# Altium PCB Module Board - OLD.PcbDoc (part 2 of 4)
Units mm, origin at the board's own origin, x right, y up, seen from the top; angles counter-clockwise.
Board outline 88 x 88 mm, 4 copper layers (Top Layer, GND1-Layer, GND2-Layer, Bottom Layer), stack 1.57 mm thick; 408 components, 212 nets, 1020 pads, 603 vias.
Unrouted connection lines stored in the file: 3.
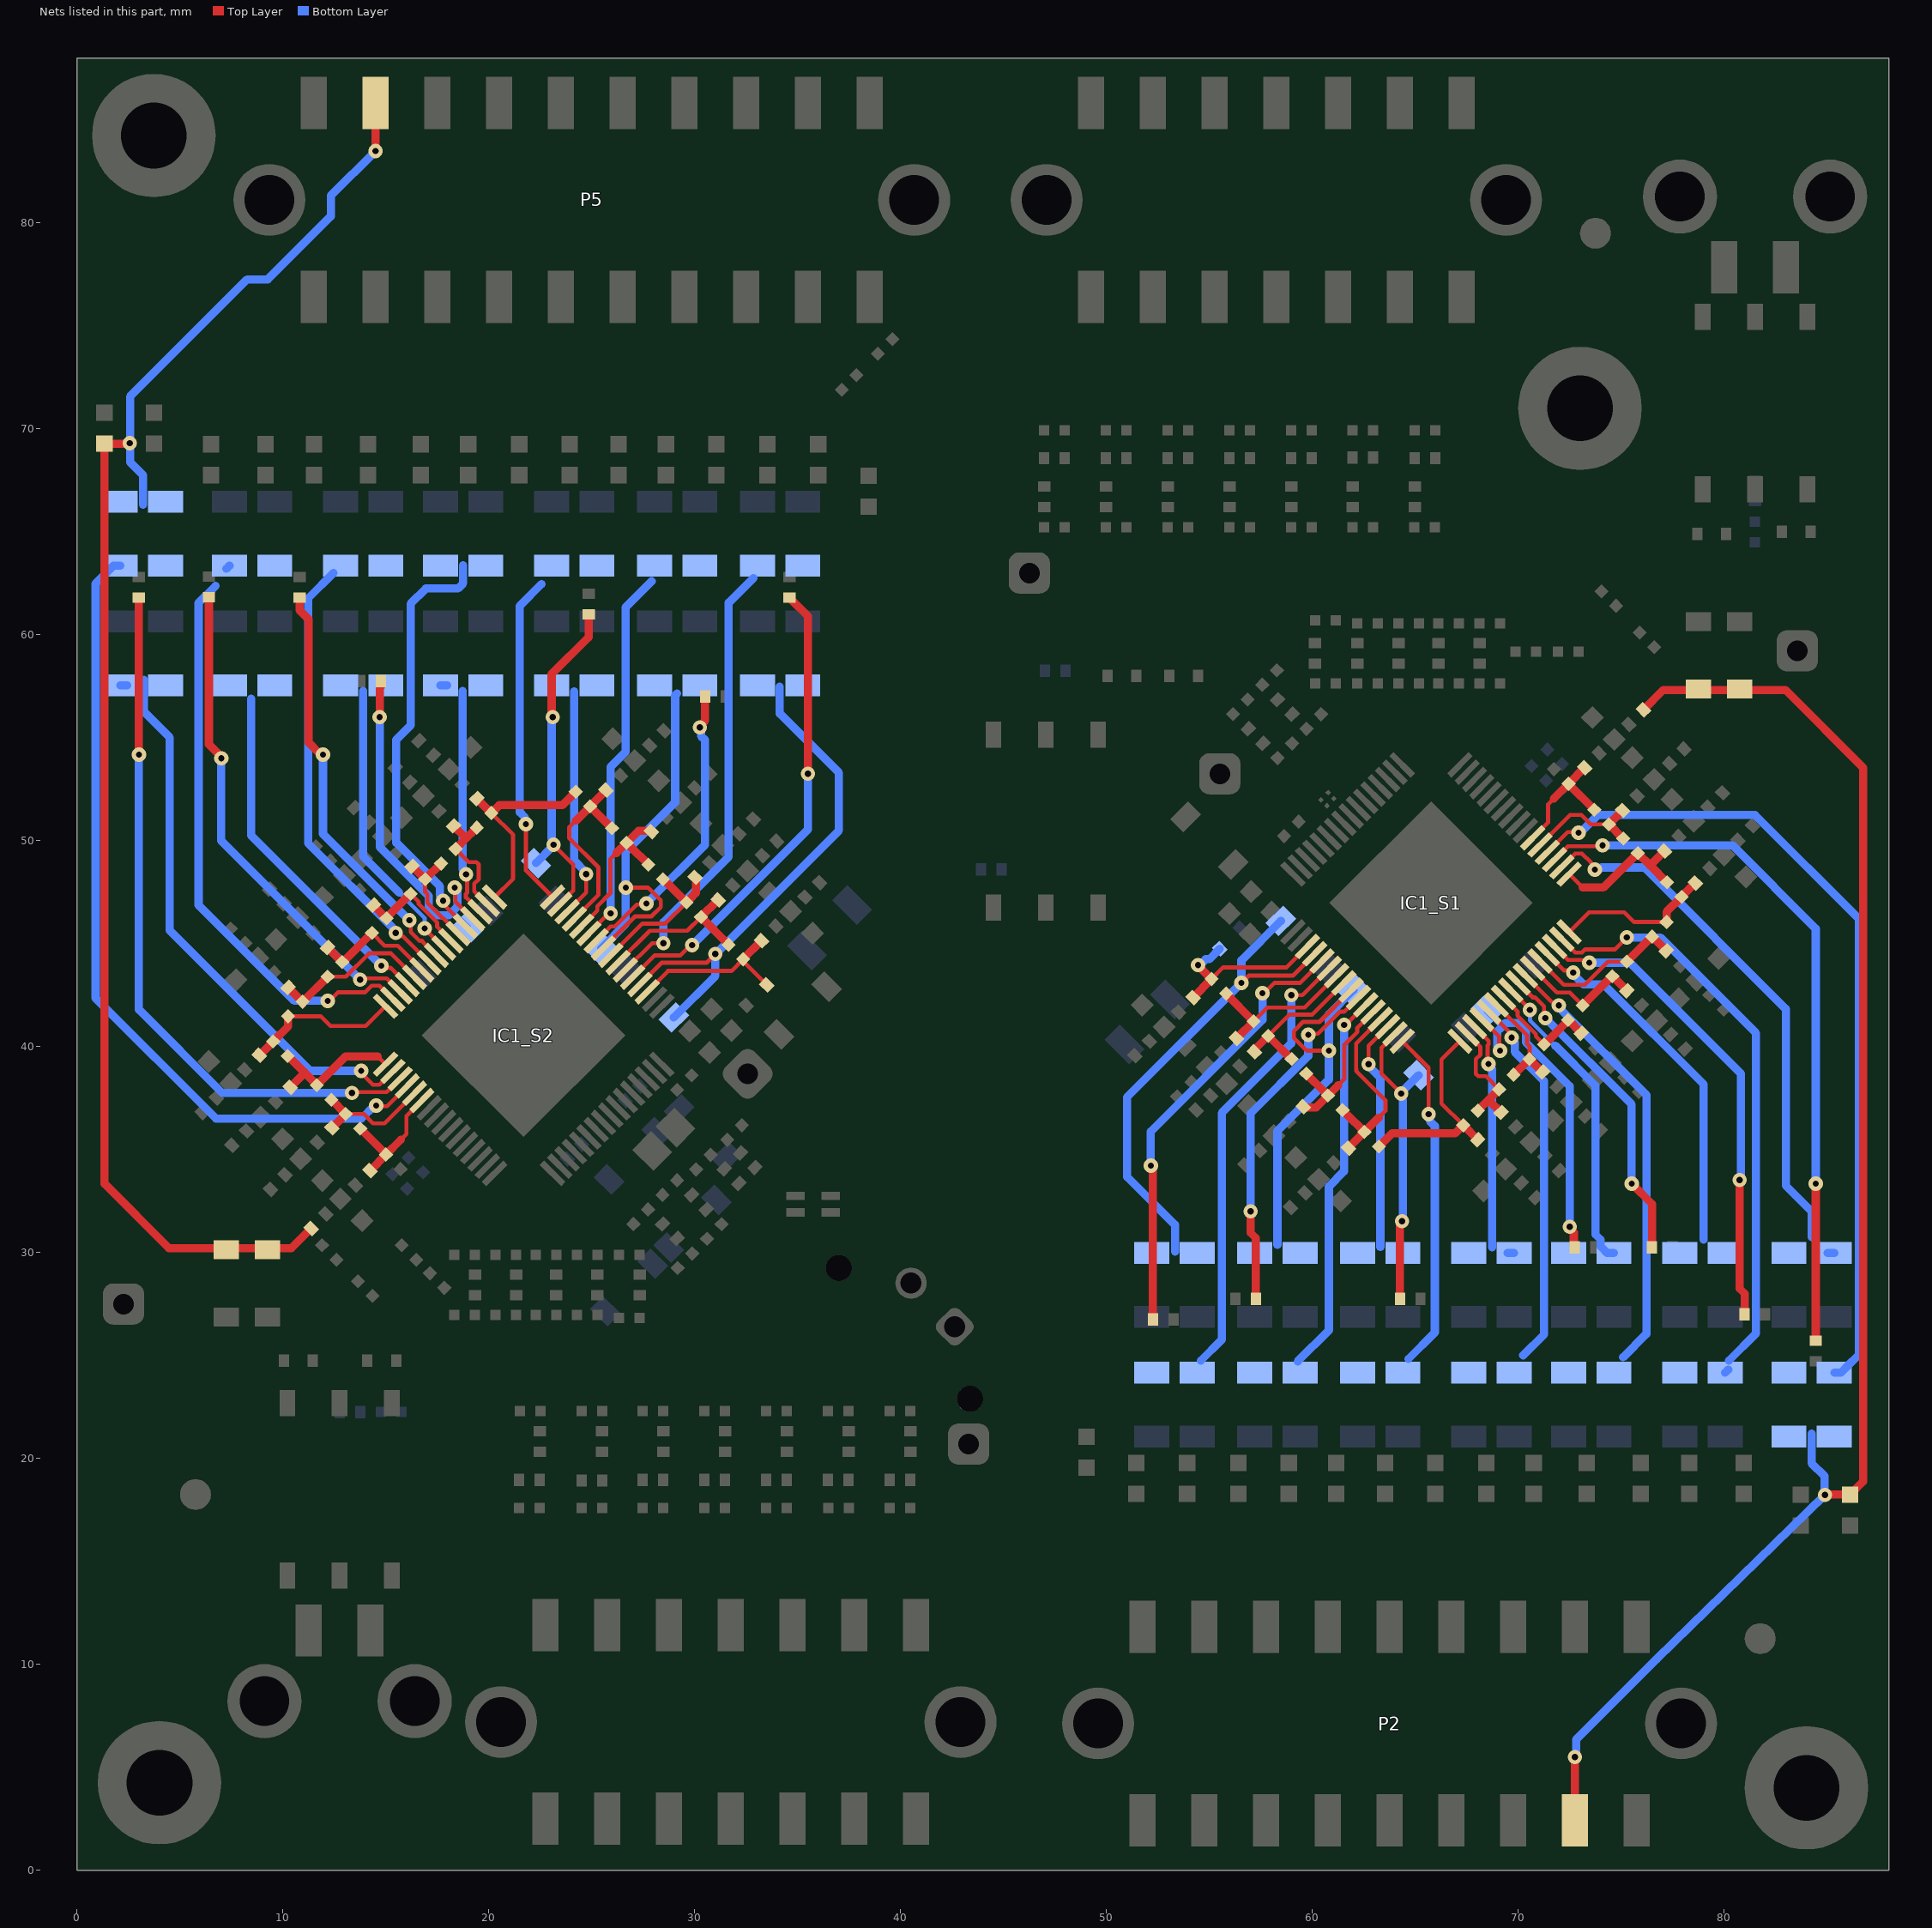
[diagram p4: the nets of this part, all layers, seen from the top]

## Components (designator, comment, footprint, x,y, rotation, side; value= is the part's Value field where it differs from the comment) (continued)
R88_S2 "RES 1206 75 1%" RES_SM1206_YAGEORC_N 7.4,64.911 r270 bottom value=75 (schematic designator R88)
R89_S1 "RES 1206 75 1%" RES_SM1206_YAGEORC_N 83.15,28.425 r90 bottom value=75 (schematic designator R89)
R89_S2 "RES 1206 75 1%" RES_SM1206_YAGEORC_N 4.3,59.1 r270 bottom value=75 (schematic designator R89)
R90_S1 "RES 1206 75 1%" RES_SM1206_YAGEORC_N 85.35,28.425 r90 bottom value=75 (schematic designator R90)
R90_S2 "RES 1206 75 1%" RES_SM1206_YAGEORC_N 2.1,59.1 r270 bottom value=75 (schematic designator R90)
R91_S1 "RES 1206 75 1%" RES_SM1206_YAGEORC_N 83.15,22.614 r90 bottom value=75 (schematic designator R91)
R91_S2 "RES 1206 75 1%" RES_SM1206_YAGEORC_N 4.3,64.911 r270 bottom value=75 (schematic designator R91)
R92_S1 "RES 1206 75 1%" RES_SM1206_YAGEORC_N 85.35,22.614 r90 bottom value=75 (schematic designator R92)
R92_S2 "RES 1206 75 1%" RES_SM1206_YAGEORC_N 2.1,64.911 r270 bottom value=75 (schematic designator R92)
R93_S1 "RES 1206 10R 1%" RES_SM1206_YAGEORC_N 51.98,41.203 r45 bottom value=10R (schematic designator R93)
R93_S2 "RES 1206 10R 1%" RES_SM1206_YAGEORC_N 36.55,45.775 r225 bottom value=10R (schematic designator R93)
R94 "RES 0402 0R 1%" FP0402 24.154,34.904 r45 bottom value=0R
R95 "RES 0402 0R 1%" FP0402 26.983,37.733 r225 bottom value=0R
T1 "HM2103NL" FP-HM2103NL-MFG 81.5,71.25 r180 top
T2 "HM2103NL" FP-HM2103NL-MFG 47.05,50.95 r180 top
T3 "HM2103NL" FP-HM2103NL-MFG 12.75,18.5 r0 top
TP1_S1 "GTT_ProbeerPunt" GTT_ProbeerPuntFP 83.55,59.225 r270 top (schematic designator TP1)
TP1_S2 "GTT_ProbeerPunt" GTT_ProbeerPuntFP 2.25,27.5 r90 top (schematic designator TP1)
TP2_S1 "GTT_ProbeerPunt" GTT_ProbeerPuntFP 55.5,53.25 r0 top (schematic designator TP2)
TP2_S2 "GTT_ProbeerPunt" GTT_ProbeerPuntFP 32.571,38.679 r45 top (schematic designator TP2)
TP3_S1 "GTT_ProbeerPunt" GTT_ProbeerPuntFP 46.25,63 r0 top (schematic designator TP3)
TP3_S2 "GTT_ProbeerPunt" GTT_ProbeerPuntFP 43.3,20.7 r180 top locked (schematic designator TP3)

## Footprints (in the part's own frame and the unit in brackets; to place one, negate y for a bottom-side part, rotate by r counter-clockwise, add the part's x,y. Pads: shape width x height; smd on the part's side, far side on the other; paste and mask are expansions set on the pad)
66200211122 [mm] "3.00mm Male Single Row Vertical Header, 2p"
  rrect50% 1.52x1.52 hole 1.02: 1(1.5,0.255)
  round 1.52 hole 1.02: 2(-1.5,0.255)
  round 1.27 hole 1.27 unplated: MH1(-4.5,-1.705) MH2(4.5,-1.705)
  silkscreen extent -4.95,-2.87 4.95,3.46, body extent -4.83,-2.18 4.83,3.38, height 9.93
662014235922 [mm] "Dual row SMT Vertical header With TH metal clip 14p"
  rect 1.27x2.54 smd: 1(9,-4.57) 2(6,-4.57) 3(3,-4.57) 4(0,-4.57) 5(-3,-4.57) 6(-6,-4.57) 7(-9,-4.57) 8(9,4.83) 9(6,4.83) 10(3,4.83) 11(0,4.83) 12(-3,4.83) 13(-6,4.83) 14(-9,4.83)
  round 3.5 hole 2.41: MH1(-11.16,0.13) MH2(11.16,0.13)
  silkscreen extent -12.5,-4.52 12.5,3.75, body extent -12.35,-5.5 12.35,5.9, height 9.92
662018235922 [mm] "Dual row SMT Vertical header With TH metal clip 18p"
  rect 1.27x2.54 smd: 1(12,-4.57) 2(9,-4.57) 3(6,-4.57) 4(3,-4.57) 5(0,-4.57) 6(-3,-4.57) 7(-6,-4.57) 8(-9,-4.57) 9(-12,-4.57) 10(12,4.83) 11(9,4.83) 12(6,4.83) 13(3,4.83) 14(0,4.83) 15(-3,4.83) 16(-6,4.83) 17(-9,4.83) 18(-12,4.83)
  round 3.5 hole 2.41: MH1(-14.16,0.13) MH2(14.16,0.13)
  silkscreen extent -15.5,-4.52 15.5,3.75, body extent -15.35,-5.5 15.35,5.9, height 9.92
662020235922 [mm] "Dual row SMT Vertical header With TH metal clip 20p"
  rect 1.27x2.54 smd: 1(13.5,-4.57) 2(10.5,-4.57) 3(7.5,-4.57) 4(4.5,-4.57) 5(1.5,-4.57) 6(-1.5,-4.57) 7(-4.5,-4.57) 8(-7.5,-4.57) 9(-10.5,-4.57) 10(-13.5,-4.57) 11(13.5,4.83) 12(10.5,4.83) 13(7.5,4.83) 14(4.5,4.83) 15(1.5,4.83) 16(-1.5,4.83) 17(-4.5,4.83) 18(-7.5,4.83) 19(-10.5,4.83) 20(-13.5,4.83)
  round 3.5 hole 2.41: MH1(-15.66,0.13) MH2(15.66,0.13)
  silkscreen extent -17,-4.52 17,3.75, body extent -16.85,-5.5 16.85,5.9, height 9.92
662302135922 [mm] "3.00mm SMT Male Single Row Vertical Header with THT Retention Clip, 2p"
  rect 1.27x2.54 smd: 1(1.5,3.645) 2(-1.5,3.645)
  round 3.6 hole 2.41: MH1(-3.65,0.215) MH2(3.65,0.215)
  silkscreen extent -4.95,-2.26 4.95,3.16, body extent -4.82,-2.5 4.83,4.45, height 10.14
CAPC2013X145X50NL20T25 [mm] "Chip Capacitor, 2-Leads, Body 2.00x1.25mm, IPC Medium Density"
  rect 1.3x1.45 smd: 1(-0.8,0) 2(0.8,0)
  body extent -1.1,-0.72 1.1,0.72, height 1.45
"Fiducial 1.5mm" [mm]
  round 1.5 smd mask+0.75: ""(0,0)
  Top Layer keep-out circle w0.2: c0,0 r1.4
FP0402 [mm]
  rect 0.5x0.6 smd: 1(-0.5,0) 2(0.5,0)
  body extent -0.85,-0.4 0.85,0.4, height 0.25
FP-HM2103NL-MFG [mm]
  rect 0.76x1.27 smd paste+0 mask+0: 1(-2.54,-4.19) 2(0,-4.19) 3(2.54,-4.19) 4(2.54,4.19) 5(0,4.19) 6(-2.54,4.19)
  silkscreen extent -4.06,-4.58 4.06,3.62, body extent -4.17,-4.93 4.17,4.92, height 0.25
GTT_ProbeerPuntFP [mm]
  rrect50% 2x2 hole 1: 1(0,0)
NETTIE_0.2mm [mm]
  rect 0.2x0.2 smd paste-0.4 mask-0.4: 1(-0.2,0) 2(0.2,0)
  Top Layer region: -0.125,-0.099 0.15,-0.099 0.15,0.101 -0.125,0.101
ONSC-SOD-123-2-425-04_V [mm] "SOD, 2-Leads, Body 2.69x1.6mm"
  rect 0.91x1.22 smd: 1(-1.635,0) 2(1.635,0)
  silkscreen extent -1.76,-0.8 0.78,1.28, body extent -1.35,-0.8 1.35,0.8, height 1.35
PESD5V0V1BB115 [mm]
  rect 0.5x0.6 smd: 1(-0.7,0) 2(0.7,0)
  silkscreen extent -1.5,-0.05 -1.4,0.05, body extent -0.8,-0.42 0.8,0.41, height 0.61
QFP50P1200X1200X160-65N [mm]
  rect 1.475x0.3 smd: 1(-5.738,3.75) 2(-5.738,3.25) 3(-5.738,2.75) 4(-5.738,2.25) 5(-5.738,1.75) 6(-5.738,1.25) 7(-5.738,0.75) 8(-5.738,0.25) 9(-5.738,-0.25) 10(-5.738,-0.75) 11(-5.738,-1.25) 12(-5.738,-1.75) 13(-5.738,-2.25) 14(-5.738,-2.75) 15(-5.738,-3.25) 16(-5.738,-3.75) 33(5.738,-3.75) 34(5.738,-3.25) 35(5.738,-2.75) 36(5.738,-2.25) 37(5.738,-1.75) 38(5.738,-1.25) 39(5.738,-0.75) 40(5.738,-0.25) 41(5.738,0.25) 42(5.738,0.75) 43(5.738,1.25) 44(5.738,1.75) 45(5.738,2.25) 46(5.738,2.75) 47(5.738,3.25) 48(5.738,3.75)
  rect 0.3x1.475 smd: 17(-3.75,-5.738) 18(-3.25,-5.738) 19(-2.75,-5.738) 20(-2.25,-5.738) 21(-1.75,-5.738) 22(-1.25,-5.738) 23(-0.75,-5.738) 24(-0.25,-5.738) 25(0.25,-5.738) 26(0.75,-5.738) 27(1.25,-5.738) 28(1.75,-5.738) 29(2.25,-5.738) 30(2.75,-5.738) 31(3.25,-5.738) 32(3.75,-5.738) 49(3.75,5.738) 50(3.25,5.738) 51(2.75,5.738) 52(2.25,5.738) 53(1.75,5.738) 54(1.25,5.738) 55(0.75,5.738) 56(0.25,5.738) 57(-0.25,5.738) 58(-0.75,5.738) 59(-1.25,5.738) 60(-1.75,5.738) 61(-2.25,5.738) 62(-2.75,5.738) 63(-3.25,5.738) 64(-3.75,5.738)
  rect 7x7 smd: 65(0,0)
  silkscreen extent -6.12,4.15 -5.87,4.4, body extent -6,-6 6,6, height 1.6
RES_SM1206_YAGEORC_N [mm] "Resistor, Yageo RC_L, SM1206, IPC Medium Density"
  rect 1.05x1.7 smd: 1(-1.552,0) 2(1.552,0)
  body extent -1.6,-0.85 1.6,0.85, height 0.65
WCAP-CSGP_0402_L1W0.5H0.5 [mm] "Ceramic Capacitors, body 1x0.5mm"
  rect 0.5x0.5 smd: 1(-0.5,0) 2(0.5,0)
  body extent -0.5,-0.25 0.5,0.25, height 0.5
WCAP-CSGP_0603_L1.6W0.8H0.8_Reflow [mm] "Ceramic Capacitors, body 1.6x0.8mm"
  rect 0.8x0.8 smd: 1(-0.75,0) 2(0.75,0)
  body extent -0.8,-0.4 0.8,0.4, height 0.8
WE-CNSA_0805 [mm] "SMD Common Mode Line Filter, size 0805, body 2.00 x 1.20 mm"
  rect 0.9x0.4 smd: 1(-0.85,0.4) 2(0.85,0.4) 3(-0.85,-0.4) 4(0.85,-0.4)
  body extent -1,-0.6 1,0.6, height 1.2

## Part data
*1 *2 *3 *4 *5 *6: library part CMP-00028-00005-4, "Fiducial 1.5", Pins=0
C1_S1 C1_S2 C4_S1 C4_S2 C5_S1 C5_S2 C6_S1 C6_S2 C7_S1 C7_S2 C10_S1 C10_S2 C11_S1 C11_S2 C16_S1 C16_S2 C17_S1 C17_S2 C18_S1 C18_S2 C19_S1 C19_S2 C20_S1 C20_S2 C21_S1 C21_S2 C24_S1 C24_S2 C25_S1 C25_S2 C26_S1 C26_S2 C29_S1 C29_S2 C30_S1 C30_S2 C31_S1 C31_S2 C32_S1 C32_S2 C35_S1 C35_S2 C36_S1 C36_S2 C39_S1 C39_S2 C40_S1 C40_S2 C41_S1 C41_S2 C42_S1 C42_S2 C45_S1 C45_S2 C46_S1 C46_S2 C49_S1 C49_S2 C50_S1 C50_S2 C51_S1 C51_S2 C52_S1 C52_S2 C55_S1 C55_S2 C56_S1 C56_S2 C59_S1 C59_S2 C60_S1 C60_S2 C61_S1 C61_S2 C62_S1 C62_S2 C65_S1 C65_S2 C66_S1 C66_S2 C69_S1 C69_S2 C70_S1 C70_S2 C71_S1 C71_S2 C72_S1 C72_S2 C75_S1 C75_S2 C80 C81 C82 C83 C84 C85 C86 C87 C88 C90 C91 C92 C93 C94 C95_S1 C95_S2: library part CMP-001-01308-5, "GTT Standard 0402 non-polarized capacitor", Case/Package=0402, Category="Multilayer Ceramic Chip Capacitors", Ceramic Type=X7R, Pins=2
C2_S1 C2_S2 C3_S1 C3_S2 C8_S1 C8_S2 C9_S1 C9_S2 C12_S1 C12_S2 C13_S1 C13_S2 C14_S1 C14_S2 C15_S1 C15_S2 C22_S1 C22_S2 C23_S1 C23_S2 C27_S1 C27_S2 C28_S1 C28_S2 C33_S1 C33_S2 C34_S1 C34_S2 C37_S1 C37_S2 C38_S1 C38_S2 C43_S1 C43_S2 C44_S1 C44_S2 C47_S1 C47_S2 C48_S1 C48_S2 C53_S1 C53_S2 C54_S1 C54_S2 C57_S1 C57_S2 C58_S1 C58_S2 C63_S1 C63_S2 C64_S1 C64_S2 C67_S1 C67_S2 C68_S1 C68_S2 C73_S1 C73_S2 C74_S1 C74_S2 C76_S1 C76_S2 C77_S1 C77_S2 C78_S1 C78_S2: library part CMP-001-01309-1, "GTT Standard 0603 non-polarized capacitor", Case/Package=0603, Tolerance=5%, Voltage Rating=100V, Category="Multilayer Ceramic Chip Capacitors", Ceramic Type=X7R, Pins=2
C89: library part CMP-1036-04909-2, "6.8uF 0804", Manufacturer=Kemet, Part Number=C0805C685K8PACTU
D1_S1 D1_S2: library part CMP-1060-00445-1, "Zener Voltage Regulator, 500 mW, 2-Pin SOD-123, Pb-Free, Tape and Reel", Manufacturer="On Semiconductor", ComponentLink1Description="Manufacturer URL", ComponentLink1URL=http://www.onsemi.com/, ComponentLink2Description=Datasheet, ComponentLink2URL=http://www.onsemi.com/pub_link/Collateral/MMSZ5221BT1-D.PDF, ComponentLink3Description="Package Specification", ComponentLink3URL=http://www.onsemi.com/pub_link/Collateral/425-04.PDF, DatasheetVersion="Rev. 12", Mounting Technology="Surface Mount", P Max (W)=0.5, PackageDescription="2-Pin SOD, Body 1.6 x 2.69 mm", PackageReference=SOD-123-2-425-04, PackageVersion="Rev. G, 10/2009", Packing="Tape and Reel", PartNumber=MMSZ5250BT1G, RoHS=Pb-Free, VZ Typ (V)=20
D2_S1 D2_S2: library part CMP-1060-00361-1, "Zener Voltage Regulator, 500 mW, 2-Pin SOD-123, Pb-Free, Tape and Reel", Manufacturer="On Semiconductor", ComponentLink1Description="Manufacturer URL", ComponentLink1URL=http://www.onsemi.com/, ComponentLink2Description=Datasheet, ComponentLink2URL=http://www.onsemi.com/pub_link/Collateral/MMSZ5221BT1-D.PDF, ComponentLink3Description="Package Specification", ComponentLink3URL=http://www.onsemi.com/pub_link/Collateral/425-04.PDF, DatasheetVersion="Rev. 12", Mounting Technology="Surface Mount", P Max (W)=0.5, PackageDescription="2-Pin SOD, Body 1.6 x 2.69 mm", PackageReference=SOD-123-2-425-04, PackageVersion="Rev. G, 10/2009", Packing="Tape and Reel", PartNumber=MMSZ5267BT1G, RoHS=Pb-Free, VZ Typ (V)=75
D3_S1 D3_S2 D9 D10 D14 D15 D17 D18: library part CMP-004-00097-1, "PESD5V0V1BB - Very low capacitance bidirectional ESD protection diode", Manufacturer_Name=Nexperia, Mouser Part Number=771-PESD5V0V1BB115, Arrow Part Number=PESD5V0V1BB,115, Arrow Price/Stock=https://www.arrow.com/en/products/pesd5v0v1bb115/nexperia?region=nac, Datasheet Link=https://assets.nexperia.com/documents/data-sheet/PESD5V0V1BB.pdf, Design Item ID=PESD5V0V1BB,115, Height=0.65mm, Manufacturer_Part_Number=PESD5V0V1BB,115, Mouser Price/Stock=https://www.mouser.co.uk/ProductDetail/Nexperia/PESD5V0V1BB115?qs=GcY6OjH1zdkfLKV5vNnV%252BA%3D%3D, Source=TempSchematics.schlib
D4_S1 D4_S2: library part CMP-1060-00447-1, "Zener Voltage Regulator, 500 mW, 2-Pin SOD-123, Pb-Free, Tape and Reel", Manufacturer="On Semiconductor", ComponentLink1Description="Manufacturer URL", ComponentLink1URL=http://www.onsemi.com/, ComponentLink2Description=Datasheet, ComponentLink2URL=http://www.onsemi.com/pub_link/Collateral/MMSZ5221BT1-D.PDF, ComponentLink3Description="Package Specification", ComponentLink3URL=http://www.onsemi.com/pub_link/Collateral/425-04.PDF, DatasheetVersion="Rev. 12", Mounting Technology="Surface Mount", P Max (W)=0.5, PackageDescription="2-Pin SOD, Body 1.6 x 2.69 mm", PackageReference=SOD-123-2-425-04, PackageVersion="Rev. G, 10/2009", Packing="Tape and Reel", PartNumber=MMSZ5260BT1G, RoHS=Pb-Free, VZ Typ (V)=43
D5_S1 D5_S2: library part CMP-1060-00319-1, "Zener Voltage Regulator, 500 mW, 2-Pin SOD-123, Pb-Free, Tape and Reel", Manufacturer="On Semiconductor", ComponentLink1Description="Manufacturer URL", ComponentLink1URL=http://www.onsemi.com/, ComponentLink2Description=Datasheet, ComponentLink2URL=http://www.onsemi.cn/pub_link/Collateral/MMSZ5221BT1-D.PDF, ComponentLink3Description="Package Specification", ComponentLink3URL=http://www.onsemi.com/pub_link/Collateral/425-04.PDF, DatasheetVersion="Rev. 12", Mounting Technology="Surface Mount", P Max (W)=0.5, PackageDescription="2-Pin SOD, Body 1.6 x 2.69 mm", PackageReference=SOD-123-2-425-04, PackageVersion="Rev. G, 10/2009", Packing="Tape and Reel", PartNumber=SZMMSZ5255BT1G, RoHS=Pb-Free, VZ Typ (V)=28
D6_S1 D6_S2: library part CMP-1060-00553-1, "Zener Voltage Regulator, 500 mW, 2-Pin SOD-123, Pb-Free, Tape and Reel", Manufacturer="On Semiconductor", ComponentLink1Description="Manufacturer URL", ComponentLink1URL=http://www.onsemi.com/, ComponentLink2Description=Datasheet, ComponentLink2URL=http://www.onsemi.com/pub_link/Collateral/MMSZ5221BT1-D.PDF, ComponentLink3Description="Package Specification", ComponentLink3URL=http://www.onsemi.com/pub_link/Collateral/425-04.PDF, DatasheetVersion="Rev. 12", Mounting Technology="Surface Mount", P Max (W)=0.5, PackageDescription="2-Pin SOD, Body 1.6 x 2.69 mm", PackageReference=SOD-123-2-425-04, PackageVersion="Rev. G, 10/2009", Packing="Tape and Reel", PartNumber=MMSZ5237BT1G, RoHS=Pb-Free, VZ Typ (V)=8.2
D7_S1 D7_S2 D8_S1 D8_S2: library part CMP-004-00003-1, "Schottky Power Rectifier, 20 V, 5.5 A, -65 to 125 degC, 2-Pin SMD, RoHS, Tape and Reel", Case/Package=SOD, Forward Current=5dA, Forward Voltage=3.85dV, Manufacturer="ON Semiconductor", Max Operating Temperature=125°C, Max Surge Current=5.5A, Min Operating Temperature=-65°C, Package Description="2-Pin Surface Mount Device, Body 2.69 x 1.6 mm", Package Quantity=3000, Package Reference=SOD-123-2-425-04, Peak Reverse Current=250uA, Datasheet URL=http://www.onsemi.cn/pub_link/Collateral/MBR0520LT1-D.PDF, Datasheet Version="Rev. 6, 01/2012", Elements=1, Manufacturer URL=http://www.onsemi.com/, Mounting Technology=SM, Packaging=TapeandReel, Pins=2, RoHS Compliant=True
D11 D12 D13 D16: library part CMP-1060-00509-1, "Zener Voltage Regulator, 500 mW, 2-Pin SOD-123, Pb-Free, Tape and Reel", Manufacturer="On Semiconductor", ComponentLink1Description="Manufacturer URL", ComponentLink1URL=http://www.onsemi.com/, ComponentLink2Description=Datasheet, ComponentLink2URL=http://www.onsemi.com/pub_link/Collateral/MMSZ4678T1-D.PDF, ComponentLink3Description="Package Specification", ComponentLink3URL=http://www.onsemi.com/pub_link/Collateral/425-04.PDF, DatasheetVersion="Rev. 9", Mounting Technology="Surface Mount", P Max (W)=0.5, PackageDescription="2-Pin SOD, Body 1.6 x 2.69 mm", PackageReference=SOD-123-2-425-04, PackageVersion="Rev. G, 10/2009", Packing="Tape and Reel", PartNumber=MMSZ4679T1G, RoHS=Pb-Free, VZ Typ (V)=2
IC1_S1 IC1_S2: library part CMP-031-00033-2, "Integrated Circuit", Manufacturer_Name=NXP, Mouser Part Number=771-MC33771CTP1AE, Arrow Part Number=MC33771CTP1AE, Arrow Price/Stock=https://www.arrow.com/en/products/mc33771ctp1ae/nxp-semiconductors?region=europe, Datasheet Link=https://eu.mouser.com/datasheet/2/302/PB_MC33771C-1949877.pdf, Design Item ID=MC33771CTP1AE, Height=1.6mm, Manufacturer_Part_Number=MC33771CTP1AE, Mouser Price/Stock=https://www.mouser.co.uk/ProductDetail/NXP-Semiconductors/MC33771CTP1AE?qs=wnTfsH77Xs56aES1BMo%252B4w%3D%3D, Source=TempSchematics.schlib
L1: library part CMP-00030-00004-1, "Common Mode Filter, Aec-Q200, 131Nh/0.37A Rohs Compliant: Yes"
NT1 NT2: library part CMP-009-00202-2
P1 P6: library part CMP-1502-00451-2, Color=Black, Contact Resistance=10mΩ, Current Rating=5A, Insulation Resistance=1GΩ, Max Operating Temperature=105°C, Min Operating Temperature=-40°C, Operating Supply Voltage=250V, Connector Type="Male Pin", Contact Plating=Tin, Fastening Type=Ramp, Gender=Male, Housing Material="Liquid Crystal Polymer", Lead Pitch=3mm, Length=9.65mm, Mount="Surface Mount", NexarPartId=71472457, Number of Pins=2, Number of Positions=2, Number of Rows=1, Orientation=Vertical, Packaging="Tape and Reel", Pitch=3mm, RoHS=Compliant, Termination=Solder
P2: library part CMP-1502-00328-2, Color=Black, Contact Resistance=10mΩ, Current Rating=5A, Insulation Resistance=1GΩ, Max Operating Temperature=105°C, Min Operating Temperature=-40°C, Operating Supply Voltage=250V, Connector Type="Male Pin, Socket", Contact Material=Copper, Contact Plating=Tin, Fastening Type=Ramp, Gender=Male, Height=13mm, Lead Pitch=3mm, Length=30.7mm, Mount="Surface Mount", NexarPartId=23024751, Number of Contacts=18, Number of Pins=18, Number of Positions=18, Number of Rows=2, Orientation=Vertical, Pitch=3mm, REACH SVHC=Unknown, RoHS=Compliant, Row Spacing=2.9972mm, Termination=Solder, Width=30.7mm
P3 P4: library part CMP-1502-00326-2, Color=Black, Contact Resistance=10mΩ, Current Rating=5A, Insulation Resistance=1GΩ, Max Operating Temperature=105°C, Min Operating Temperature=-40°C, Operating Supply Voltage=250V, Connector Type="Male Pin, Socket", Contact Material=Copper, Contact Plating=Tin, Fastening Type=Ramp, Gender=Male, Height=13mm, Lead Pitch=3mm, Length=24.7mm, Mount="Surface Mount", NexarPartId=23024733, Number of Contacts=14, Number of Pins=14, Number of Positions=14, Number of Rows=2, Orientation=Vertical, Pitch=3mm, REACH SVHC=Unknown, RoHS=Compliant, Row Spacing=2.9972mm, Termination=Solder, Width=24.7mm
P5: library part CMP-1502-00329-2, Color=Black, Contact Resistance=10mΩ, Current Rating=5A, Insulation Resistance=1GΩ, Max Operating Temperature=105°C, Min Operating Temperature=-40°C, Operating Supply Voltage=250V, Connector Type="Male Pin, Socket", Contact Material=Copper, Contact Plating=Tin, Fastening Type=Ramp, Gender=Male, Height=13mm, Lead Pitch=3mm, Length=33.7mm, Mount="Surface Mount", NexarPartId=23024760, Number of Contacts=20, Number of Pins=20, Number of Positions=20, Number of Rows=2, Orientation=Vertical, Pitch=3mm, REACH SVHC=Unknown, RoHS=Compliant, Row Spacing=2.9972mm, Termination=Solder, Width=33.7mm